# Altium PCB wtc_spi.PcbDoc (part 1 of 2)
Units mm, origin at the board's own origin, x right, y up, seen from the top; angles counter-clockwise.
Board outline 131 x 99 mm, 2 copper layers (Top Layer, Bottom Layer), stack 1.571 mm thick; 164 components, 102 nets, 483 pads, 227 vias.
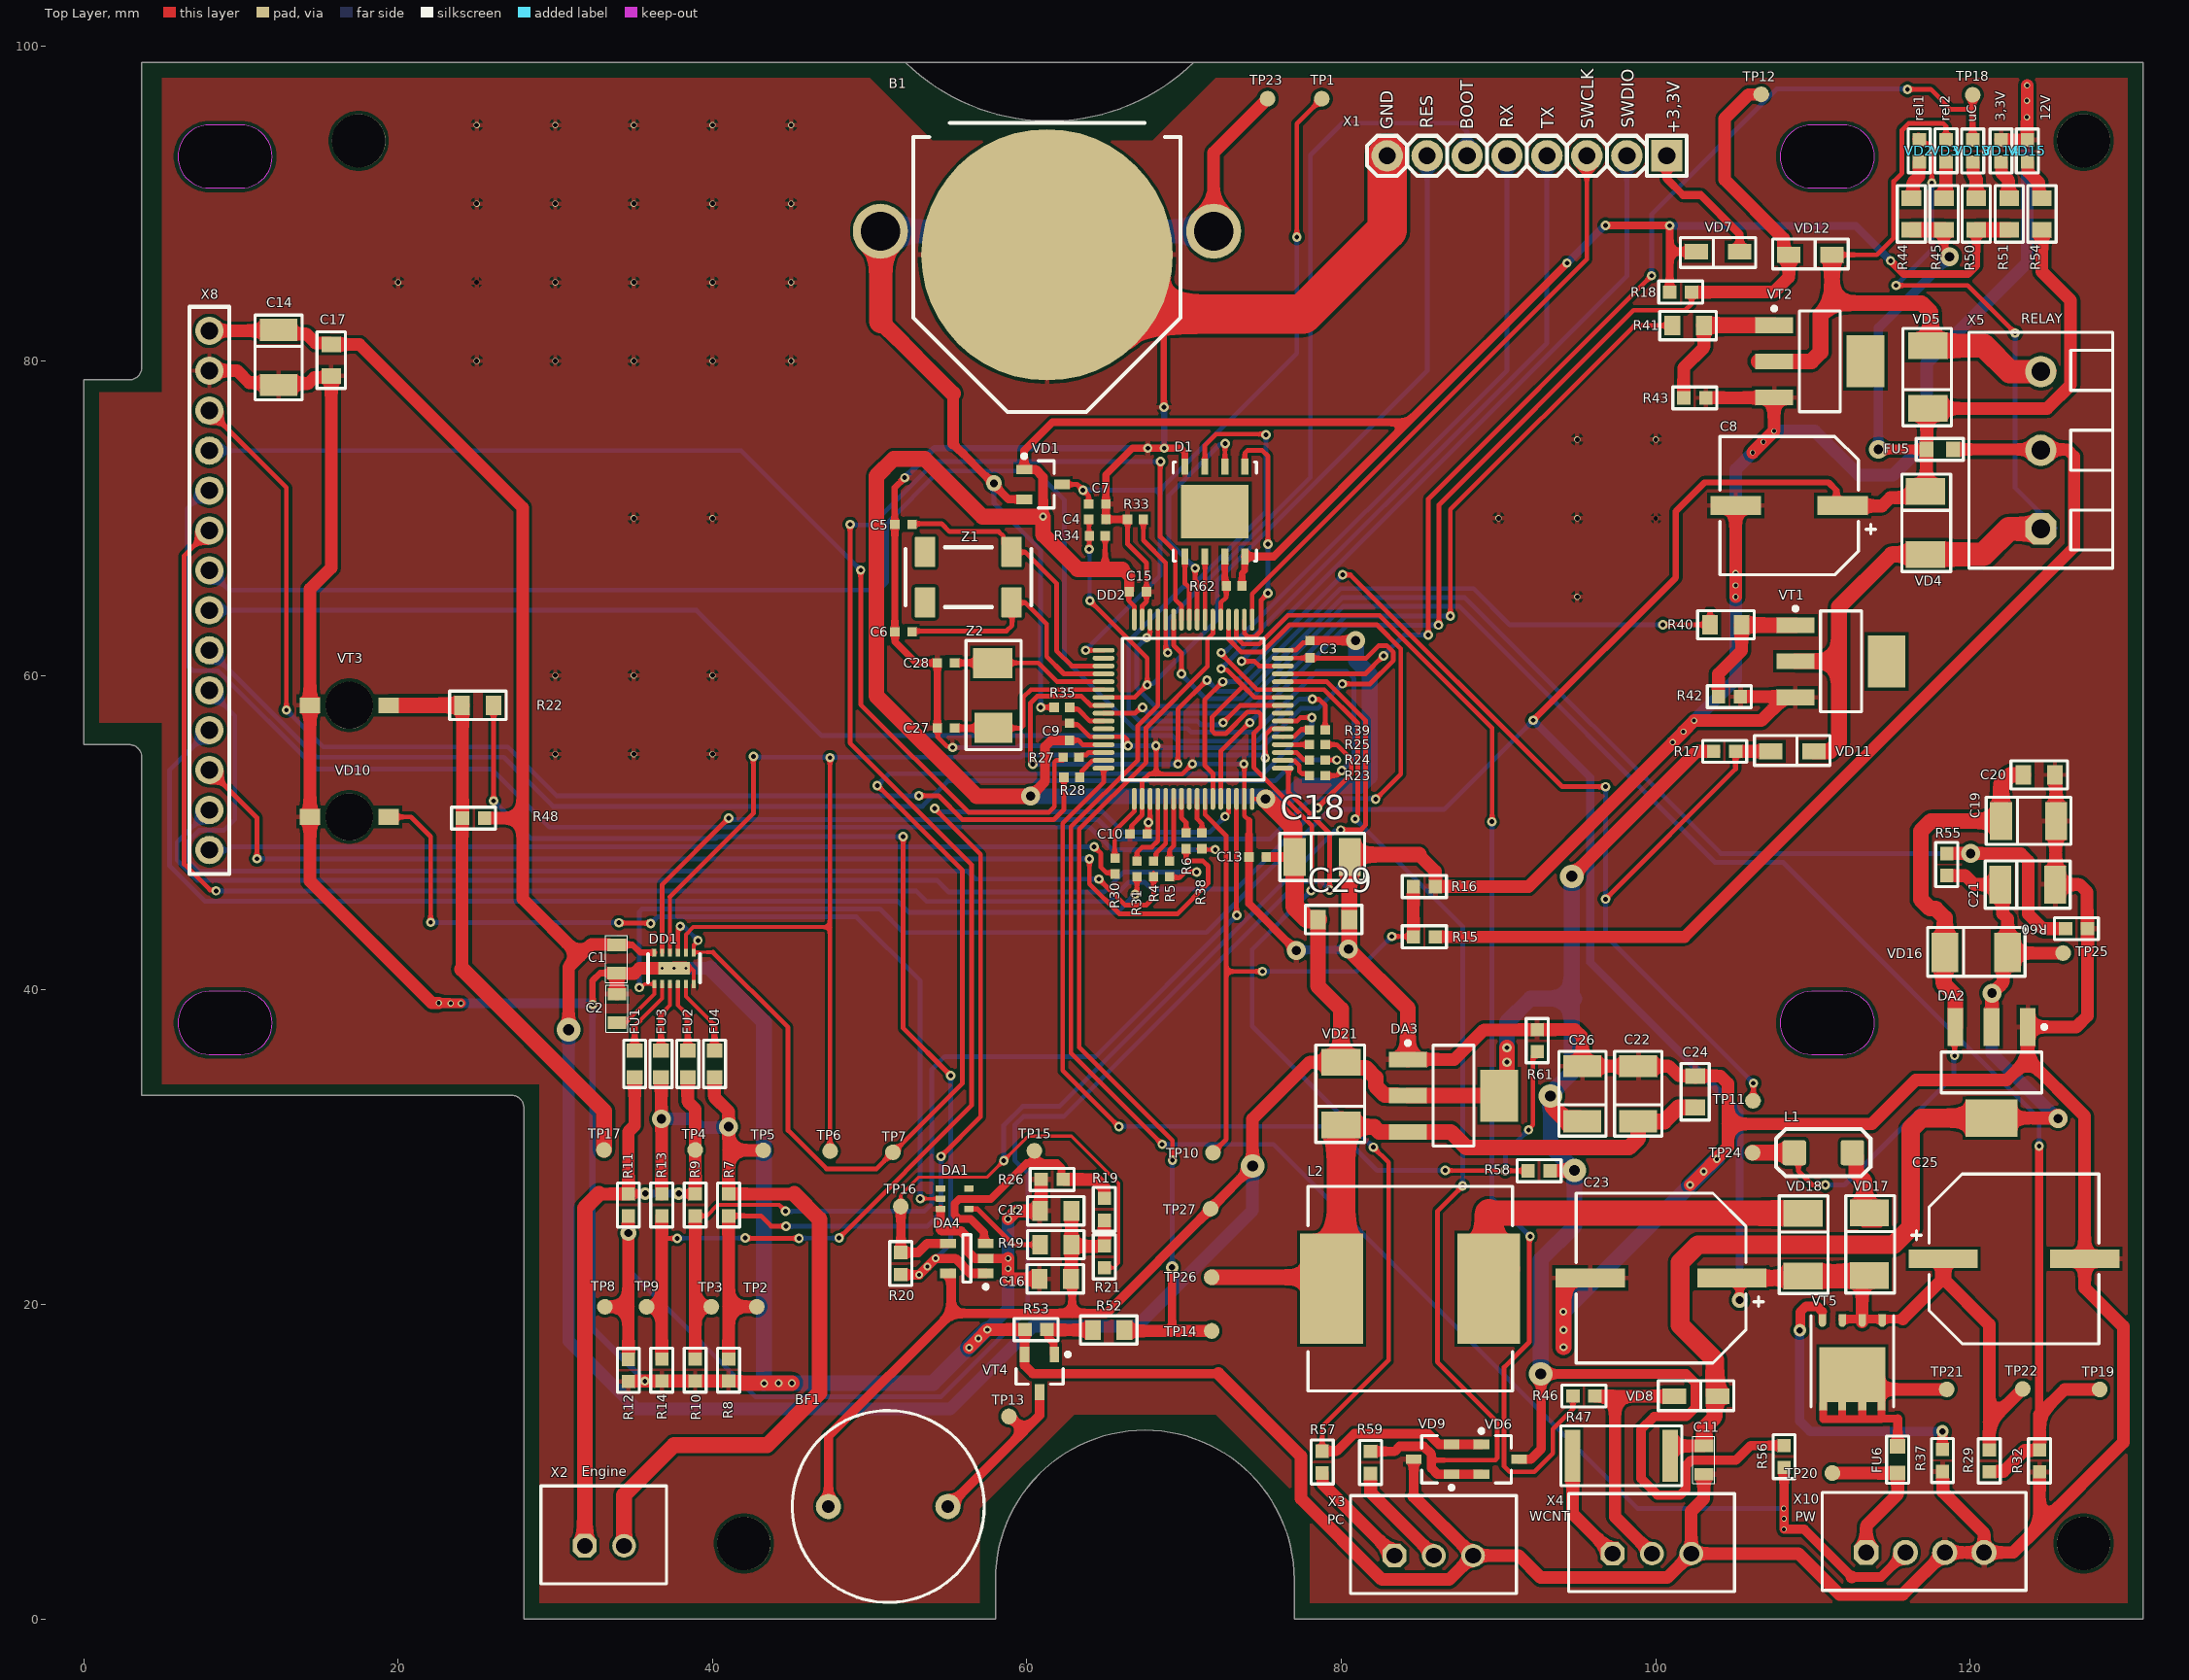
[diagram p0: Top Layer view]
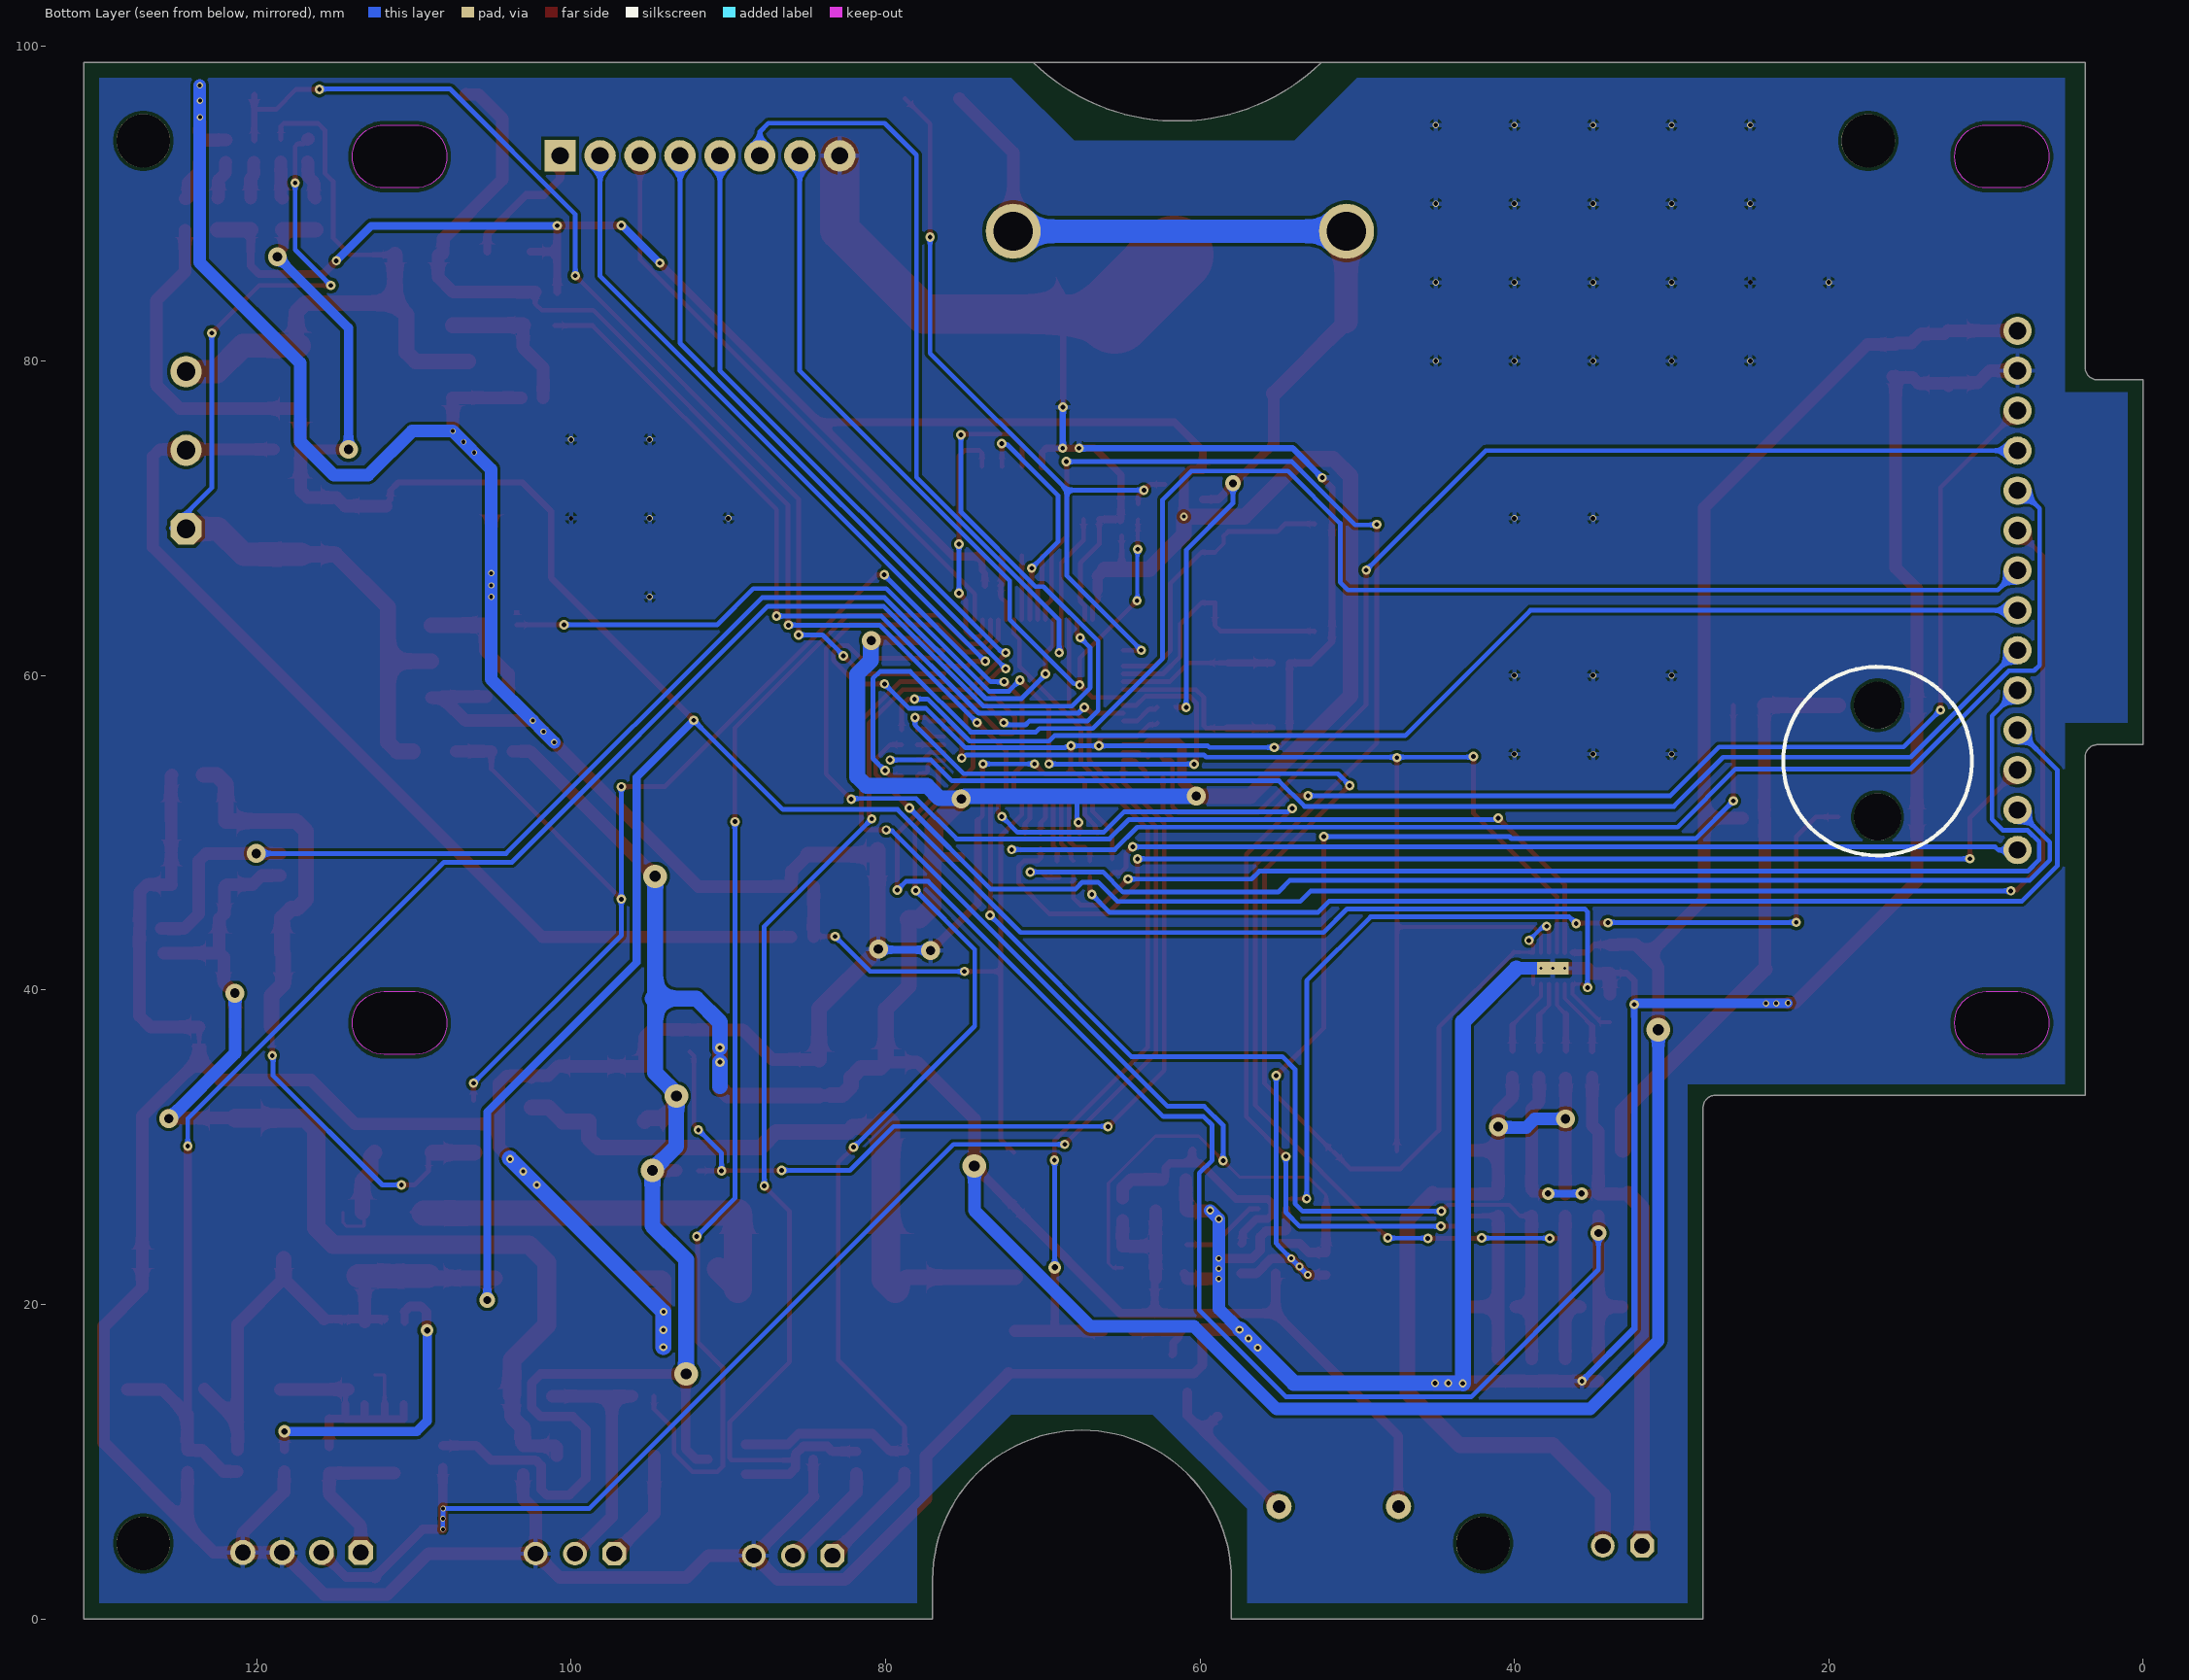
[diagram p1: Bottom Layer view, seen from below]
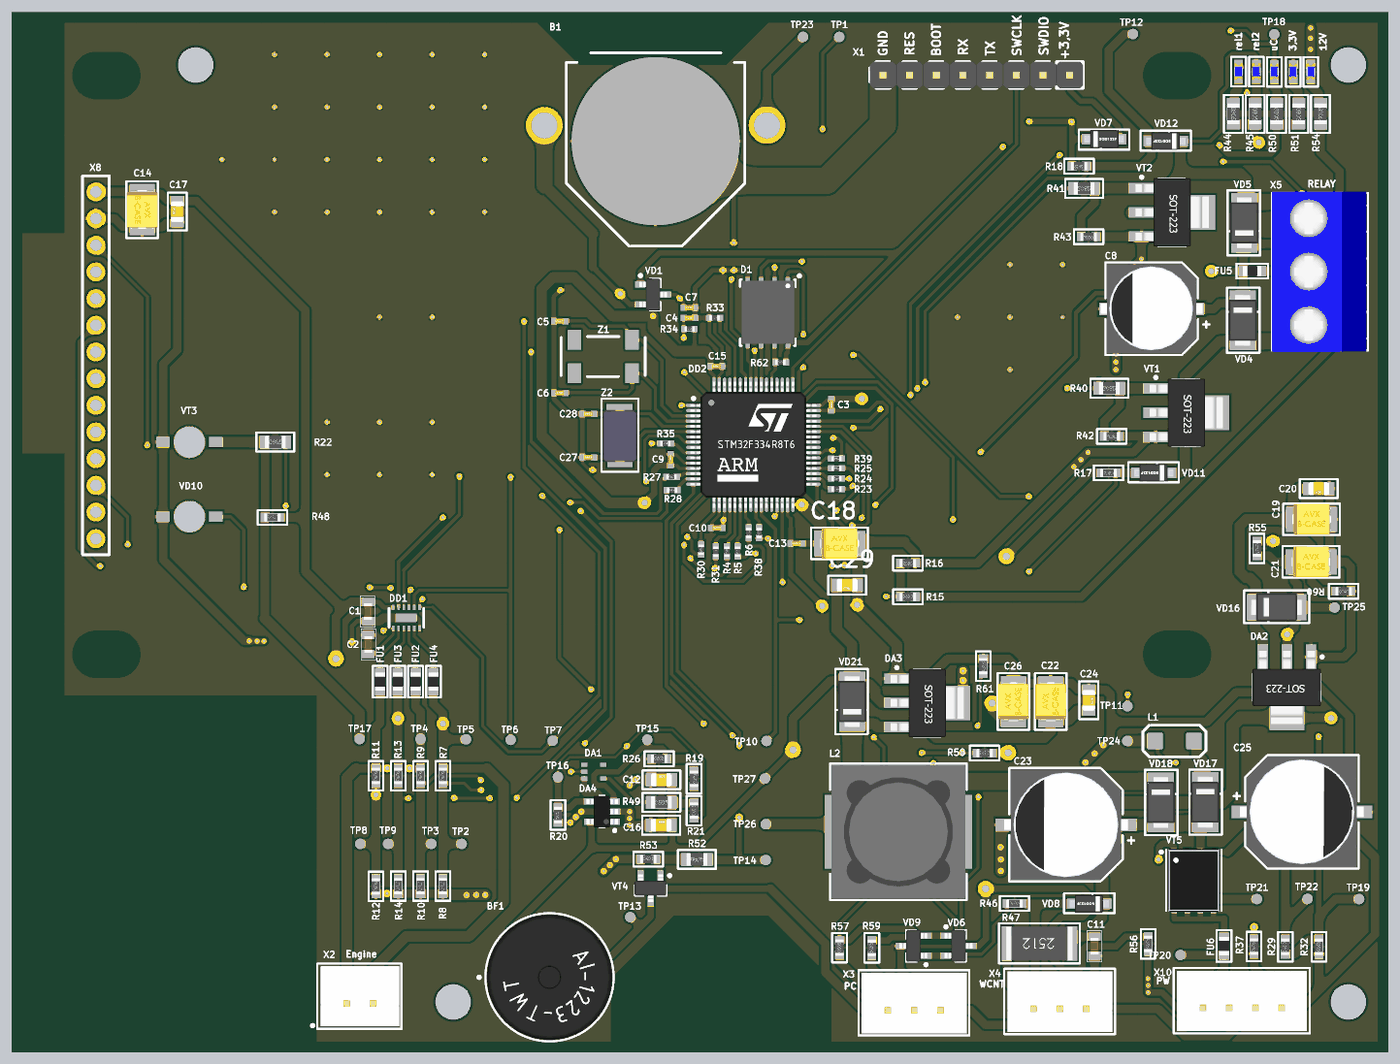
[diagram p3: 3D render of the assembled board from above, using the file's embedded part models]

## Layer stack, top to bottom
Top Solder: solder mask 0.0102, Solder Resist, Dk 3.5
Top Layer: signal copper 0.0356
Dielectric 1: dielectric 1.5, FR-4, Dk 4.8
Bottom Layer: signal copper 0.0356
Bottom Solder: solder mask 0.0102, Solder Resist, Dk 3.5

## Board outline
52.25,99 ccw(c61.437,108.414) 70.625,99 25.725,99 131,99 131,0 77,0 77,2.5 ccw(c67.5,2.5) 67.5,12 ccw(c67.5,2.5) 58,2.5 58,0 28,0 28,32.5 ccw(c27.2,32.5) 27.2,33.3 3.7,33.3 3.7,54.8 ccw(c2.9,54.8) 2.9,55.6 0,55.6 0,78.8 2.9,78.8 ccw(c2.9,79.6) 3.7,79.6 3.7,99
cut-out: 6,37.9 ccw(c8,37.9) 8,35.9 10,35.9 ccw(c10,37.9) 12,37.9 ccw(c10,37.9) 10,39.9 8,39.9 ccw(c8,37.9)
cut-out: 6,93 ccw(c8,93) 8,91 10,91 ccw(c10,93) 12,93 ccw(c10,93) 10,95 8,95 ccw(c8,93)
cut-out: 107.9,37.9 ccw(c109.9,37.9) 109.9,35.9 111.9,35.9 ccw(c111.9,37.9) 113.9,37.9 ccw(c111.9,37.9) 111.9,39.9 109.9,39.9 ccw(c109.9,37.9)
cut-out: 107.9,93 ccw(c109.9,93) 109.9,91 111.9,91 ccw(c111.9,93) 113.9,93 ccw(c111.9,93) 111.9,95 109.9,95 ccw(c109.9,93)

## Design rules (kind name [scope] priority, off if disabled: settings)
AcuteAngle [All] p1: minimum=3.50000000000000E+0001 checktracksonly=FALSE
BoardOutlineClearance "BoardOutlineClearance 1" [All] p1: gap=0.25 ignorepadtopadclearanceinfootprint=FALSE except(0: Arc-SplitContinuation Track-SplitContinuation SMDPad-SplitContinuation THPad-SplitContinuation Via-SplitContinuation Fill-SplitContinuation Poly-SplitContinuation Region-SplitContinuation Text-SplitContinuation) // Milling
BoardOutlineClearance "BoardOutlineClearance 2" [All] p2: gap=0.4 ignorepadtopadclearanceinfootprint=FALSE except(0: Arc-SplitContinuation Track-SplitContinuation SMDPad-SplitContinuation THPad-SplitContinuation Via-SplitContinuation Fill-SplitContinuation Poly-SplitContinuation Region-SplitContinuation Text-SplitContinuation) // V-Cut
Clearance "Clearance-1 1/2 Oz" [All] p1: gap=0.125 ignorepadtopadclearanceinfootprint=FALSE except(0.2: Arc-Fill Arc-Poly Track-Fill Track-Poly SMDPad-SMDPad SMDPad-Fill SMDPad-Poly THPad-Fill THPad-Poly Via-Fill Via-Poly Fill-Fill Fill-Poly Poly-Poly Poly-Region Poly-Text Poly-Hole; 0.25: Arc-Hole Track-Hole SMDPad-Hole THPad-Hole Via-Hole Fill-Hole Region-Hole Text-Hole) // Standart
DiffPairsRouting "DiffPairsRouting 1 Oz" [All] p1: maxlimit=0.254 minlimit=0.2 mostfreqgap=0.254 toplayer_minwidth=0.2 toplayer_maxwidth=0.381 toplayer_prefwidth=0.381 bottomlayer_minwidth=0.2 bottomlayer_maxwidth=0.381 bottomlayer_prefwidth=0.381 maxuncoupledlength=12.7
HoleSize "Minimum HoleSize" [IsPad] p1: absolutevalues=TRUE maxlimit=5.9 minlimit=0.6 maxpercent=80.000 minpercent=20.000
HoleSize "Minimum HoleSize VIA 1" [IsVia] p2: absolutevalues=TRUE maxlimit=5.9 minlimit=0.3 maxpercent=80.000 minpercent=20.000 // Standart
HoleSize "Minimum HoleSize VIA 2" [IsVia] p3: absolutevalues=TRUE maxlimit=5.9 minlimit=0.2 maxpercent=80.000 minpercent=20.000 // Advance
HoleToHoleClearance Hole2HoleClearance [All] p1: gap=0.25 allowstackedmicrovias=FALSE
MinimumAnnularRing "Minimum AR VIA Standart" [IsVia] p1: minimumring=0.15
MinimumAnnularRing "Minimum AR PAD Standart" [IsPAD] p2: minimumring=0.2
MinimumAnnularRing "Minimum AR VIA Advance" [IsVia] p3: minimumring=0.1
MinimumAnnularRing "Minimum AR PAD Advance" [IsPAD] p4: minimumring=0.15
MinimumSolderMaskSliver "SolderMask Bridge Standart" [All] p1: minsoldermaskwidth=0.15 // All Masks
MinimumSolderMaskSliver "SolderMask Bridge Advance" [All] p2: minsoldermaskwidth=0.1 // Mask LDI
PlaneClearance "PlaneClearance-1 1/2 Oz" [All] p1: clearance=0.2 // Standart
PlaneConnect "TermalConnect-1 1/2 Oz" [All] p1: planeconnectstyle=Relief reliefexpansion=0.2 reliefentries=4 reliefconductorwidth=0.2 reliefairgap=0.2 // Standart
PolygonConnect "PolygonConnect 5V" [InNet('+5V') vs InNet('+5V')] p1: connectstyle=Direct reliefconductorwidth=0.254 reliefentries=4 polygonreliefangle="90 Angle" airgapwidth=0.254
PolygonConnect "PolygonConnect 3,3V" [InNet('+3.3V') vs InNet('+3.3V')] p2: connectstyle=Direct reliefconductorwidth=0.254 reliefentries=4 polygonreliefangle="90 Angle" airgapwidth=0.254
PolygonConnect "PolygonConnect-1 1/2 Oz" [InNet('GND') vs InNet('GND')] p3: connectstyle=Relief reliefconductorwidth=0.3 reliefentries=4 polygonreliefangle="90 Angle" airgapwidth=0.2 // Standart
RoutingCorners [All] p1 off: cornerstyle=45-Degree minsetback=2.54 maxsetback=2.54
RoutingVias [All] p1: holewidth=0.3 width=0.6 viastyle="Through Hole" minholewidth=0.2 minwidth=0.4 maxholewidth=5.9 maxwidth=6.4
SilkToSilkClearance Silk2SilkClearance [All] p1 off: silktosilkclearance=0.15
SilkToSolderMaskClearance Silk2SolderMaskClearance [IsPad] p1 off: minsilkscreentomaskgap=0.15 clearancetoexposedcopper=TRUE
SolderMaskExpansion SolderMaskExpansion-1 [All] p1: expansion=0.05 istentingtop=FALSE // Standart
SolderMaskExpansion "SolderMaskExpansion LDI" [All] p2: expansion=0.025 istentingtop=FALSE // Advance
UnRoutedNet [All] p1: checkbadconnections=TRUE
Width "Width 1 Oz" [All] p1: maxlimit=10 minlimit=0.15 preferedwidth=0.2 checkconnectedcopper=TRUE
Width "Width 1/2 Oz" [All] p2: maxlimit=10 minlimit=0.1 preferedwidth=0.125 checkconnectedcopper=TRUE
20 further rules are at their usual default settings.

## Classes and differential pairs
component class 4_PowerSupplie: B1 C19 C20 C21 C22 C23 C24 C25 C26 DA2 DA3 FU6 L1 L2 R29 R32 R37 R55 R56 R58 R60 R61 TP19 TP20 TP21 TP22 TP23 TP24 TP25 TP26 TP27 VD16 VD17 VD18 VD21 VT5 X10
component class 3_InfoPerif: BF1 C11 C12 C14 C16 C17 DA1 DA4 R19 R20 R21 R22 R26 R46 R47 R48 R49 R50 R51 R52 R53 R54 R57 R59 TP13 TP14 TP15 TP16 TP17 TP18 VD6 VD8 VD9 VD10 VD13 VD14 VD15 VT3 VT4 X3 X4 X8
component class 2_PowerPerif: C1 C2 C8 DD1 DD? FU1 FU2 FU3 FU4 FU5 R7 R8 R9 R10 R11 R12 R13 R14 R15 R16 R17 R18 R40 R41 R42 R43 R44 R45 TP2 TP3 TP4 TP5 TP6 TP7 TP8 TP9 TP10 TP11 TP12 VD2 VD3 VD4 VD5 VD11 VD12 VT1 VT2 X2 X5
component class 1_uC: C3 C4 C5 C6 C7 C9 C10 C13 C15 C18 C27 C28 C29 D1 DD2 R4 R5 R6 R23 R24 R25 R27 R28 R30 R31 R33 R34 R35 R38 R39 R62 TP1 VD1 VD7 X1 Z1 Z2

## Components (designator, comment, footprint, x,y, rotation, side; value= is the part's Value field where it differs from the comment)
B1 "CR2032" CR2032 61.275,86.75 r0 top
BF1 "HCM1203X" "BUZ: AI-1223-TWT-3V-2-R" 51.175,7.15 r0 top
C1 "10uF, 6.3V" C_0603 33.9,41.975 r90 top
C2 "10uF, 25V" C_0603 33.925,38.825 r270 top
C3 "4,7uF" CH0402C 78,61.675 r270 top
C4 "4,7uF" CH0402C 64.475,69.925 r180 top
C5 "10pF" CH0402C 52.15,69.6 r180 top
C6 "10pF" CH0402C 52.15,62.775 r0 top
C7 "4,7uF" CH0402C 64.475,70.9 r180 top
C8 "47uF, 25V" D8C3.2H12 108.475,70.8 r180 top
C9 "400nF" CH0402C 62.7,56.425 r90 top
C10 "4,7uF" CH0402C 67.1,49.925 r0 top
C11 "0,1uF, 10V" C_0603 103.05,10.1 r90 top
C12 "0.1u, 6.3V" CH0805C 61.825,25.95 r0 top
C13 "4,7uF" CH0402C 74.675,48.45 r0 top
C14 "22u, 6.3V" TANTAL_B 12.4,80.225 r270 top
C15 "4,7uF" CH0402C 67.05,65.325 r180 top
C16 "0.1u, 6.3V" CH0805C 61.8,21.625 r0 top
C17 "0.1u, 6.3V" CH0805C 15.75,80.05 r90 top
C18 "22u, 6.3V" TANTAL_B 78.775,48.45 r0 top
C19 "22u, 20V" TANTAL_B 123.7,50.75 r0 top
C20 "1u, 25V" CH0805C 124.375,53.675 r180 top
C21 "22u, 6.3V" TANTAL_B 123.65,46.7 r0 top
C22 "22u, 20V" TANTAL_B 98.875,33.4 r90 top
C23 "330u, 25V" D10C4.4H10 100.325,21.675 r180 top
C24 "1u, 25V" CH0805C 102.5,33.525 r270 top
C25 "330u, 25V" D10C4.4H10 122.775,22.9 r0 top
C26 "100u,6.3V" TANTAL_B 95.325,33.4 r90 top
C27 "8pF" CH0402C 54.85,56.65 r0 top
C28 "8pF" CH0402C 54.85,60.8 r0 top
C29 "0.1u, 6.3V" CH0805C 79.5,44.475 r180 top
D1 "W25Q128FVPIG" "8-WSON (5x6mm)without_holes" 71.95,70.425 r270 top
DA1 "PSSI2021SAY" SOT353 54.5,27.375 r0 top
DA2 "LM1117-5V_FIX" SOT223_123 121.35,34.75 r270 top
DA3 "LM1117-3,3V_FIX" SOT223_123 87.125,33.275 r0 top
DA4 "" SOT23-5 56.175,22.925 r180 top
DD1 "DRV8835" WSON12 38.8,41.375 r90 top
DD2 "STM32F103RCT6" 64-LQFP 70.575,57.85 r0 top
FU1 "LittleFuse, 467 Series, 2A" CH0603F 35.05,35.3 r270 top
FU2 "LittleFuse, 467 Series, 2A" CH0603F 38.425,35.3 r270 top
FU3 "LittleFuse, 467 Series, 2A" CH0603F 36.725,35.3 r270 top
FU4 "LittleFuse, 467 Series, 2A" CH0603F 40.125,35.3 r270 top
FU5 "LittleFuse, 467 Series, 1A" CH0603F 118.05,74.375 r0 top
FU6 "LittleFuse, 467 Series, 4A" CH0603F 115.375,10.125 r90 top
L1 "CM453232-221KL 220uH" IND:1812 110.65,29.65 r0 top
L2 "SRR1208-221KL" "IND: SRR1208" 84.375,21 r0 top
R4 "330 Ом" CH0402R 68.05,47.7 r90 top
R5 "330 Ом" CH0402R 69.075,47.7 r90 top
R6 "330 Ом" CH0402R 70.125,49.475 r90 top
R7 "15k" CH0603R 41.025,26.325 r90 top
R8 "30k" CH0603R 41.025,15.825 r90 top
R9 "15k" CH0603R 38.9,26.325 r90 top
R10 "30k" CH0603R 38.9,15.825 r90 top
R11 "15k" CH0603R 34.65,26.325 r90 top
R12 "30k" CH0603R 34.65,15.8 r90 top
R13 "15k" CH0603R 36.775,26.325 r90 top
R14 "30k" CH0603R 36.775,15.825 r90 top
R15 "15k" CH0603R 85.275,43.375 r0 top
R16 "30k" CH0603R 85.275,46.575 r180 top
R17 "30k" CH0603R 104.375,55.175 r180 top
R18 "30k" CH0603R 101.575,84.375 r180 top
R19 "10k" CH0603R 64.925,26.05 r270 top
R20 "1M" CH0603R 51.975,22.6 r90 top
R21 "3k" CH0603R 64.925,23.025 r90 top
R22 "90k" CH0805R 25.075,58.1 r0 top
R23 "330 Ом" CH0402R 78.475,53.625 r180 top
R24 "330 Ом" CH0402R 78.475,54.625 r180 top
R25 "330 Ом" CH0402R 78.475,55.6 r180 top
R26 "90k" CH0603R 61.6,27.95 r0 top
R27 "330 Ом" CH0402R 62.8,54.8 r0 top
R28 "330 Ом" CH0402R 62.85,53.525 r0 top
R29 "15k" CH0603R 121.2,10.05 r90 top
R30 "330 Ом" CH0402R 65.6,47.875 r90 top
R31 "330 Ом" CH0402R 67,47.7 r90 top
R32 "30k" CH0603R 124.4,10.05 r90 top
R33 "10K" CH0402R 66.9,69.925 r0 top
R34 "10K" CH0402R 64.475,68.875 r180 top
R35 "30 kОм" CH0402R 62.225,57.975 r0 top
R37 "100k" CH0603R 118.225,10.075 r90 top
R38 "330 Ом" CH0402R 71.125,49.475 r90 top
R39 "330 Ом" CH0402R 78.475,56.525 r180 top
R40 "100" CH0805R 104.45,63.225 r180 top
R41 "100" CH0805R 102.05,82.25 r180 top
R42 "4.7k" CH0603R 104.675,58.65 r180 top
R43 "4.7k" CH0603R 102.475,77.65 r180 top
R44 "15k" CH0805R 116.25,89.35 r270 top
R45 "15k" CH0805R 118.325,89.35 r270 top
R46 "330" CH0603R 95.425,14.175 r0 top
R47 "100" CH2512R 97.8,10.375 r180 top
R48 "3.3k" CH0603R 24.8,50.925 r0 top
R49 "15" CH0805R 61.825,23.8 r0 top
R50 "1k" CH0805R 120.375,89.35 r270 top
R51 "3k" CH0805R 122.475,89.35 r270 top
R52 "100" CH0805R 65.2,18.375 r0 top
R53 "4.7k" CH0603R 60.575,18.4 r0 top
R54 "15k" CH0805R 124.55,89.35 r270 top
R55 "20k" CH0603R 118.5,47.975 r270 top
R56 "10k" CH0603R 108.15,10.325 r90 top
R57 "100" CH0603R 78.775,9.975 r90 top